# KiCad board DFTBoard.kicad_pcb (continued)
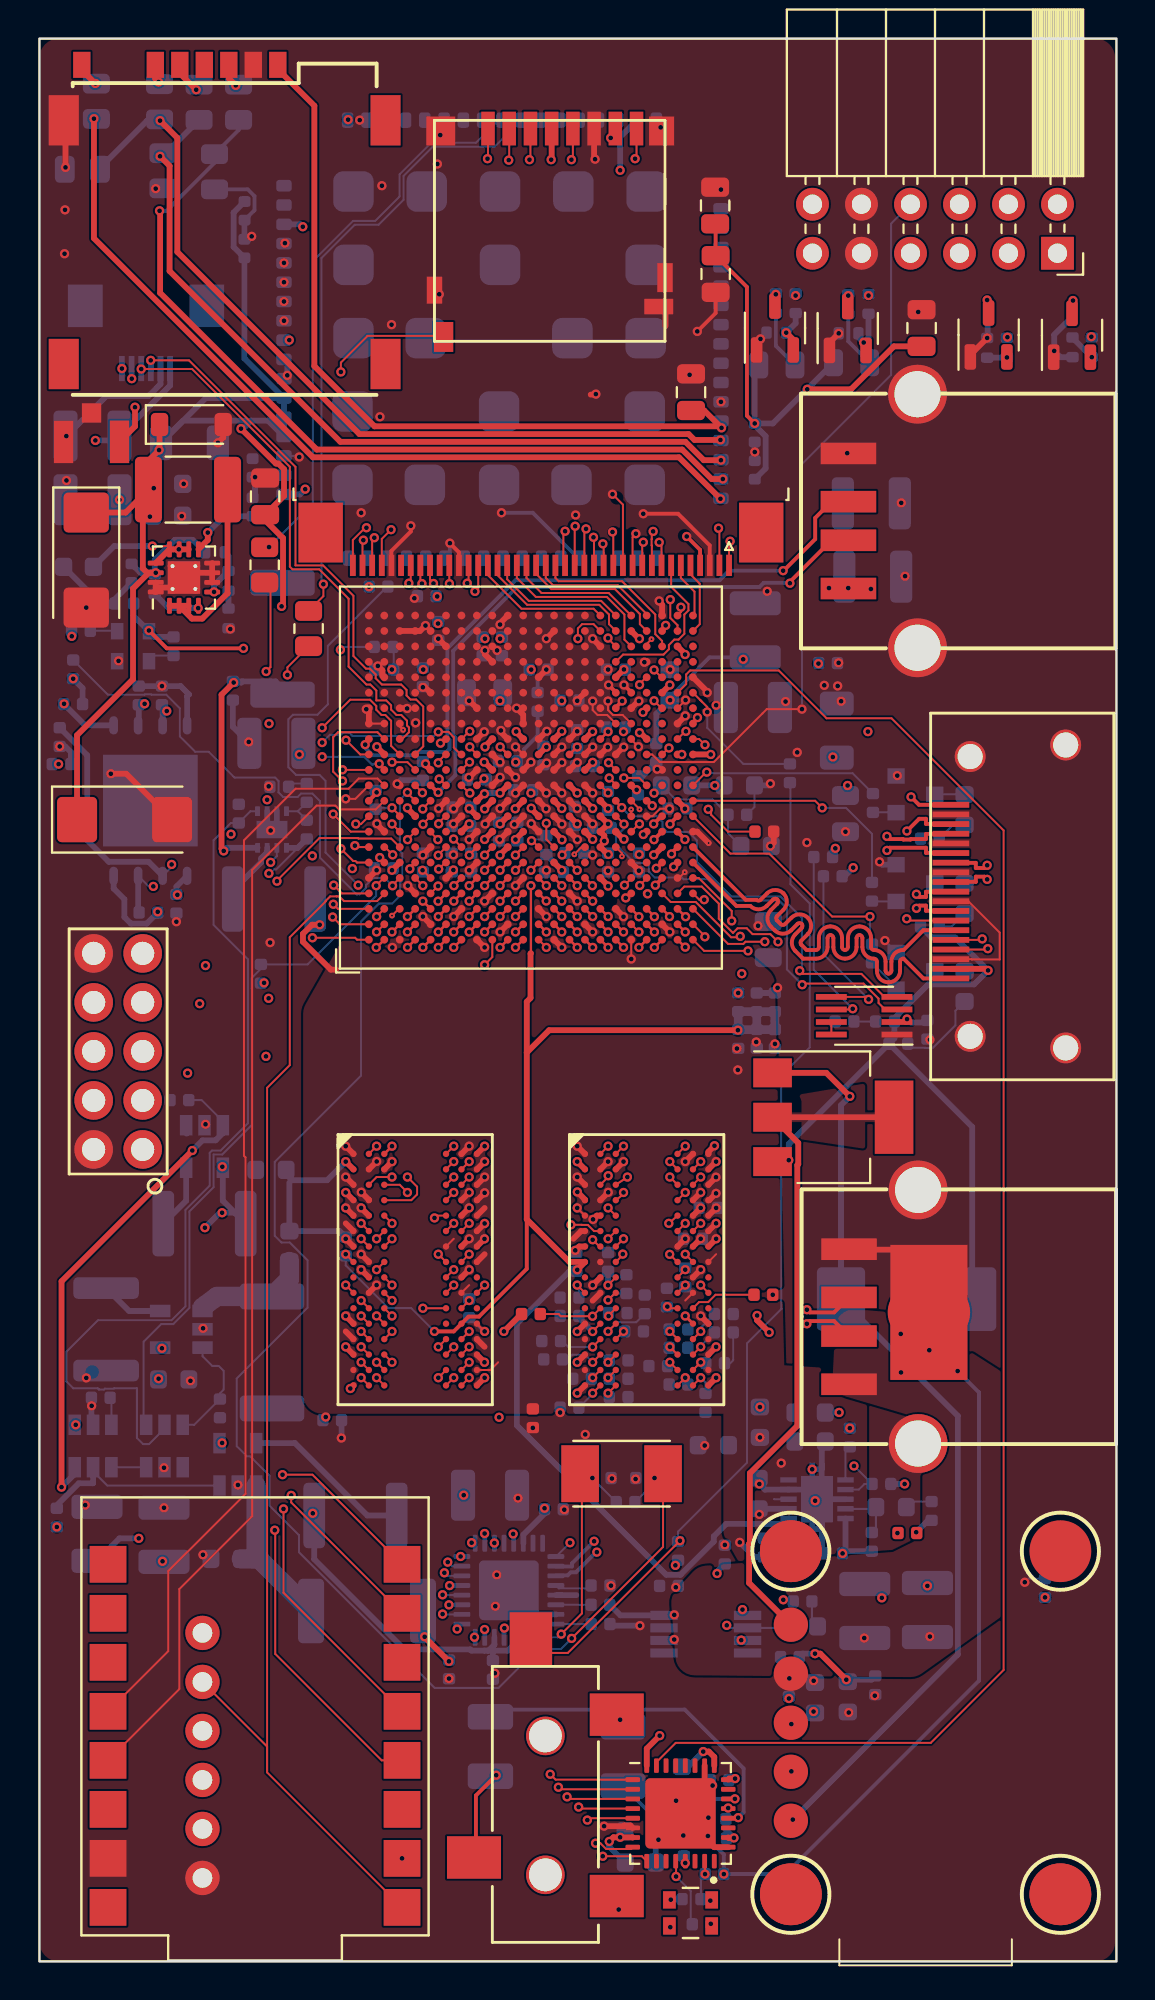
[diagram p0: board, top side]
## Routing (per net, layer and track width the routed paths; a pad name or vN(x,y) marks a point on that pad's centre or on a via; arc(x,y) is an arc through that point) (continued)
HDMI_HEAC_P: length 25
  TOP_GND w0.2: U20.AB7 36.61,55.02 37.17,55.02 arc(37.27,54.97) 37.38,55.02 37.71,55.35 arc(38.14,55.53) 38.56,55.35 arc(38.74,54.93) 38.56,54.5 38.23,54.17 arc(38.19,54.06) 38.23,53.95 38.43,53.75 arc(38.54,53.71) 38.64,53.75 38.98,54.09 arc(39.4,54.26) 39.83,54.09 arc(40,53.66) 39.83,53.24 39.49,52.9 arc(39.45,52.8) 39.49,52.69 39.77,52.42 40.25,52.42 arc(40.36,52.46) 40.4,52.57 40.4,53.04 arc(40.58,53.47) 41,53.64 arc(41.43,53.47) 41.6,53.04 41.6,52.57 arc(41.65,52.46) 41.75,52.42 arc(41.86,52.46) 41.91,52.57 41.91,53.04 arc(42.08,53.47) 42.51,53.64 arc(42.93,53.47) 43.11,53.04 43.11,52.57 arc(43.15,52.46) 43.26,52.42 arc(43.68,52.24) 43.86,51.82 43.86,51.34 arc(43.9,51.24) 44.01,51.19 arc(44.12,51.24) 44.16,51.34 44.16,51.82 arc(44.34,52.24) 44.76,52.42 44.79,52.42 45.82,53.44 J9.14
HDMI_R_N: length 22.2
  TOP_GND w0.2: v1(49.12,56.08) 48.99,56.22 48.54,56.22 48.54,55.95 47.25,55.95 ; 32.28,56.13 v1(31.93,55.78)
  SIGNAL2 w0.2: v1(31.93,55.78) 32.21,55.78 32.56,55.43 34.23,55.43 34.27,55.46 37.36,55.46 37.5,55.33 37.57,55.33 38.25,56.01 38.25,56.55 38.28,56.55 38.34,56.53 38.34,55.93 38.94,55.33 43.27,55.33 44.16,56.22 48.99,56.22 v1(49.12,56.08)
HDMI_R_P: length 22.4
  TOP_GND w0.2: 47.25,56.93 48.54,56.93 48.54,56.67 48.99,56.67 v1(49.12,56.81) ; U20.Y6 v1(31.97,56.65)
  SIGNAL2 w0.2: v1(31.97,56.65) 32.75,55.88 34.58,55.88 34.68,55.78 37.5,55.78 arc(37.61,55.82) 37.65,55.93 37.65,56.4 arc(37.83,56.82) 38.25,57 arc(38.68,56.82) 38.85,56.4 38.85,55.93 arc(38.9,55.82) 39,55.78 43.08,55.78 43.97,56.67 48.99,56.67 v1(49.12,56.81)
HPCOM_N: length 17.2
  TOP_GND w0.2: U9.20 36.19,7.42 v1(36.22,7.45)
  BOTTOM w0.2: v1(36.22,7.45) 36.5,7.73 36.5,10 33.45,13.05 23.75,13.05
HPCOM_P: length 6.9
  TOP_GND w0.2: U9.22 36.05,8.42 v1(36.05,8.43)
  BOTTOM w0.2: C49.1 31.49,7.85 33.7,7.85 34.28,8.43 v1(36.05,8.43)
HS: length 33.1
  TOP_GND w0.102: v1(20.43,71.41) 20.25,71.59 20.25,72.35 ; v3(30.19,57.27) 30.19,57.43 U20.U7
  GND0 w0.102: v3(30.19,57.27) 30.19,56.85 30.72,56.32 30.72,55.58 31.38,54.92 32.35,54.92 34.27,56.85 34.27,61.39 34.22,61.45 34.21,61.46 34.21,61.46 34.2,61.47 34.2,62.49 33.54,63.15 33.49,63.15 31.47,65.17 31.47,65.48 31.24,65.71 28.94,65.71 28.72,65.93 23.47,65.93 21.23,68.18 21.23,69.33 20.23,70.33 20.23,71.21 v1(20.43,71.41)
I2C5_HDMI_SCLK: length 19.8
  TOP_GND w0.102: v1(48.87,52.99) 48.82,52.94 J9.15 ; v1(42.16,49.37) 42.12,49.34 U21.6
  SIGNAL1 w0.102: v1(42.16,49.37) 42.16,49.59 45.5,52.94 48.81,52.94 v1(48.87,52.99)
  BOTTOM w0.102: v1(42.16,49.37) 40.14,51.39 R83.2
I2C5_HDMI_SDA: length 18.5
  TOP_GND w0.102: v1(49.16,52.49) 49.11,52.44 J9.16 ; U21.5 42.85,49.99 v1(42.98,49.86)
  SIGNAL1 w0.102: v1(49.16,52.49) 45.86,52.49 43.23,49.86 v1(42.98,49.86)
  BOTTOM w0.102: v1(42.98,49.86) 42.98,49.86 40.64,52.2 R82.2
I2C33_HDMI_SCLK: length 21.5
  TOP_GND w0.102: 29.89,59.35 v1(30.3,58.94) ; 43.83,49.34 43.5,49.67 43.5,49.89 42.72,50.68 39.6,50.68 v1(39.54,50.62)
  BOTTOM w0.102: v1(39.54,50.62) 38.74,51.41 38.74,54.57 38.33,54.99 35.73,54.99 34.63,56.08 33.39,56.08 33.3,56.17 31.9,56.17 31.58,56.49 31.58,56.81 31.47,56.93 30.84,56.93 29.89,57.88 29.89,58.3 30.3,58.72 v1(30.3,58.94)
I2C33_HDMI_SDA: length 20.7
  TOP_GND w0.102: 43.8,49.99 42.6,51.18 39.57,51.18 v1(39.41,51.34) ; 29.88,60.1 v1(30.18,59.8)
  BOTTOM w0.102: v1(30.18,59.8) 30.64,59.34 32,59.34 32.29,59.05 32.29,58.78 32.54,58.53 33.64,58.53 34.08,58.1 34.08,56.98 35.87,55.19 38.41,55.19 39.52,54.08 39.52,51.46 v1(39.41,51.34)
I2C33_SCLK: length 104.2
  TOP_GND w0.102: v1(18.3,55.75) 18.3,55.78 U20.C5 ; v1(28.83,6.12) 29.07,6.12 29.37,5.82 30.66,5.82 30.75,5.92
  SIGNAL2 w0.102: v1(28.83,6.12) 29.3,6.6 29.45,6.6 34.78,11.93 34.78,12.29 37.93,15.44 37.93,22.15 40.45,24.67 40.45,48.83 38.42,50.85 37.39,50.85 33.7,54.54 30.16,54.54 29.93,54.78 29.93,55.84 29.64,56.12 29.22,56.12 29.08,56.27 29.08,57.5 28.84,57.73 26.91,57.73 26.86,57.69 25.34,57.69 25.3,57.73 22.11,57.73 21.89,57.5 21.89,56.73 21.88,56.73 21.88,56.39 21.64,56.15 18.7,56.15 v1(18.3,55.75)
  BOTTOM w0.102: v1(18.3,55.75) 17.91,56.14 17.29,56.14 16.93,55.77 16.93,55.62 16.6,55.3 16.44,55.3 14.54,57.21 14.54,60.14 14.15,60.52 13.56,60.52 13.38,60.35 12.63,60.35 12.39,60.58 12.39,61.18 12.22,61.35 10.11,61.35 8.78,62.69 8.08,62.69 7.28,63.49 7.28,64.94 6.57,65.65 5.81,65.65 5.79,65.67 5.46,65.67 5.44,65.65 3.55,65.65 R103.2
I2C33_SDA: length 87.6
  TOP_GND w0.102: v1(15.63,57.67) 16.27,57.03 16.38,57.03 16.46,56.95 U20.A6 ; v1(29.2,5.45) 31.22,5.45 U9.9
  SIGNAL2 w0.102: 40.65,21.8 38.95,20.1 38.95,15.35 34.8,11.2 34.8,9.58 30.68,5.45 v1(29.2,5.45) ; 40.65,21.8 40.65,48.95 38.53,51.08 37.47,51.08 36.57,51.98 36.57,51.98 36.34,52.21 36.34,52.21 33.81,54.74 31.53,54.74 30.72,55.55 30.72,56.08 29.93,56.88 29.93,57.98 29.34,58.56 27.9,58.56 27.88,58.53 24.45,58.53 24.43,58.55 21.64,58.55 21.63,58.56 21.3,58.56 21.28,58.54 16.5,58.54 v1(15.63,57.67) ; 40.65,21.8 41.05,22.2 v1(44.47,22.2)
I2S_ADCSD: length 79.8
  TOP_GND w0.102: v1(28.4,7.33) 28.5,7.42 30.75,7.42 ; v1(34.11,64.46) 34.11,64.38 U20.AB15
  SIGNAL4 w0.102: v1(28.4,7.33) 28.48,7.4 30.38,7.4 34.78,11.81 34.78,12.29 35.01,12.52 35.5,12.52 43.62,20.65 43.62,44.95 43.87,45.2 43.87,46.03 47.15,49.31 47.15,60.25 42.9,64.5 34.92,64.5 34.78,64.36 34.45,64.36 34.31,64.5 34.15,64.5 v1(34.11,64.46)
I2S_BCLK: length 78.2
  TOP_GND w0.102: U20.AA13 33.29,62.55 v1(33.3,62.55) ; v1(26.9,9.03) 27.01,8.92 30.75,8.92
  SIGNAL4 w0.102: v1(26.9,9.03) 30.65,9.03 34.76,13.13 35.25,13.13 42.82,20.71 42.82,45.84 46.4,49.43 46.4,56.74 44.95,58.19 44.8,58.19 44.57,58.42 44.57,58.84 41.39,62.03 34.76,62.03 34.75,62.03 34.43,62.03 34.43,62.03 33.82,62.03 v1(33.3,62.55)
I2S_DACSD: length 78.8
  TOP_GND w0.102: v1(27.95,8) 28.03,7.92 30.75,7.92 ; U20.AA14 33.47,63.75 v1(33.51,63.75)
  SIGNAL4 w0.102: v1(33.51,63.75) 33.71,63.55 41.3,63.55 46.81,58.04 46.81,49.26 43.22,45.68 43.22,20.54 35.42,12.73 34.93,12.73 34.58,12.38 34.58,11.89 30.69,8 v1(27.95,8)
I2S_LRCLK: length 77.9
  TOP_GND w0.102: 30.75,8.42 27.46,8.42 v1(27.35,8.53) ; U20.AB14 34.2,63.35 v1(34.5,63.05)
  SIGNAL4 w0.102: v1(27.35,8.53) 30.93,8.53 34.38,11.98 34.38,12.46 34.85,12.93 35.33,12.93 43.02,20.62 43.02,45.76 46.61,49.35 46.61,57.49 41.05,63.05 34.5,63.05 v1(34.5,63.05)
I2S_MCLK: length 79
  TOP_GND w0.102: v1(32.63,62.88) 32.61,62.88 U20.Y13 ; v1(26.48,9.7) 26.76,9.42 30.75,9.42
  SIGNAL4 w0.102: v1(26.48,9.7) 30.11,13.34 35.16,13.34 42.61,20.79 42.61,45.93 45.85,49.17 45.85,56.95 44.82,57.98 44.72,57.98 44.37,58.33 44.37,58.43 42.25,60.55 34.69,60.55 32.63,62.61 v1(32.63,62.88)
INIT_B: length 0.6
  TOP_GND w0.13: v1(29.47,63.73) 29.46,63.73 U20.T14
JD_HOUT: length 7.3
  TOP_GND w0.102: 34.25,65.38 34.35,65.28 ; 34.25,65.38 34.61,65.01 v1(34.61,64.75) ; 34.25,65.38 U20.AB17
  BOTTOM w0.102: R31.1 36.49,62.06 34.61,63.93 v1(34.61,64.75)
LCD_D0: length 3.3
  TOP_GND w0.102: 33.75,71.88 34.23,71.4 34.23,69.3 U20.AB21
LCD_D1: length 2.8
  TOP_GND w0.102: 33.25,72.35 33.25,71.7 33.95,70.99 33.95,69.83
LCD_D2: length 8.3
  TOP_GND w0.102: U20.U19 30.25,67.73 32.35,67.73 32.63,68 32.63,68.23 32.91,68.5 33.13,68.5 33.43,68.8 33.43,69.8 33.64,70.02 33.64,70.34 32.75,71.24 32.75,72.35
LCD_D3: length 8.4
  TOP_GND w0.102: 31.47,68.28 v2(31.72,68.53) ; v1(32.12,73.54) 32.25,73.42 32.25,72.35
  SIGNAL1 w0.102: v1(32.12,73.54) 33.64,72.03 33.64,69.87 32.3,68.53 v2(31.72,68.53)
LCD_D4: length 43.4
  TOP_GND w0.102: 30.68,56.13 v1(30.33,55.78) ; v1(31.81,74.11) 31.74,74.04 31.74,73.72 31.73,73.71 31.73,73.38 31.75,73.37 31.75,72.35
  GND0 w0.102: v1(30.33,55.78) 30.33,56.23 29.58,56.97 29.32,56.97 29.07,57.23 29.07,57.5 28.83,57.73 26.91,57.73 26.7,57.52 26.7,57.1 26.86,56.94 27.24,56.94 27.48,56.7 27.48,55.59 27.73,55.34 28.04,55.34 28.27,55.11 28.27,54.8 28.53,54.54 28.84,54.54 29.08,54.3 29.08,53.99 29.33,53.74 31.24,53.74 31.48,53.5 31.48,53.19 31.71,52.96 32.02,52.96 32.81,52.17 34.73,52.17 36.28,53.71 36.28,67.13 36.09,67.32 36.09,67.65 36.09,67.65 36.09,69.02 31.73,73.38 31.73,74.03 v1(31.81,74.11)
LCD_D5: length 26.7
  TOP_GND w0.102: v1(35.88,53.93) 35.88,54.44 34.17,56.15 U20.AB5 ; v1(31.3,73.55) 31.25,73.5 31.25,72.35
  GND0 w0.102: v1(35.88,53.93) 35.88,67.47 33.85,69.5 32.76,69.5 32.13,70.13 32.06,70.13 31.3,70.89 v1(31.3,73.55)
LCD_D6: length 29.4
  TOP_GND w0.102: v1(30.92,73.99) 30.75,73.82 30.75,72.35 ; U20.AB4 34.2,55.02 v1(34.46,55.02)
  GND0 w0.102: v1(30.92,73.99) 30.89,73.97 30.89,70.25 32.35,68.8 32.95,68.8 35.67,66.08 35.67,65.35 35.67,65.35 35.67,64.85 35.67,64.85 35.67,54.27 35.49,54.09 35.49,53.54 34.65,52.71 34.33,52.71 34.1,52.94 34.1,54.67 v1(34.46,55.02)
LCD_D7: length 39.3
  TOP_GND w0.102: 30.25,72.35 30.25,75.5 v1(29.7,76.04) ; v1(38.28,52.84) 37.89,53.24 36.97,53.24 36.66,53.54 36.19,53.54 35.96,53.31 35.94,53.31 35.21,54.04 35.21,54.82 34.33,55.7 33.43,55.7 U20.AA4
  GND0 w0.102: v1(38.28,52.84) 38.28,69.89 32.14,76.04 v1(29.7,76.04)
LCD_D8: length 32.9
  TOP_GND w0.102: v1(36.33,53.13) 36.28,53.08 35.85,53.08 34.02,54.9 32.72,54.9 U20.Y4 ; v1(29.7,74.08) 29.75,74.04 29.75,72.35
  GND0 w0.102: v1(29.7,74.08) 30.15,74.53 31.95,74.53 35.22,71.26 35.22,70.48 36.87,68.83 36.87,67.22 36.48,66.83 36.48,53.28 v1(36.33,53.13)
LCD_D9: length 26.9
  TOP_GND w0.102: v1(29.21,73.47) 29.25,73.43 29.25,72.35 ; v1(34.49,53.1) 34.49,53.13 U20.AB2
  GND0 w0.102: v1(34.49,53.1) 34.49,53.38 35.47,54.35 35.47,64.94 35.47,64.94 35.47,65.26 35.47,65.27 35.47,65.66 34.97,66.15 34.05,66.15 32.05,68.15 30.47,68.15 29.21,69.42 v1(29.21,73.47)
LCD_D10: length 7.6
  TOP_GND w0.102: 28.75,72.35 28.75,73.78 v1(28.72,73.8) ; v1(29.47,68.58) 29.47,68.55 U20.U20
  GND0 w0.102: v1(29.47,68.58) 28.7,69.35 28.7,73.79 v1(28.72,73.8)
LCD_D11: length 9.6
  TOP_GND w0.102: v1(28.33,74.24) 28.25,74.15 28.25,72.35 ; U20.AA21 33.08,69.25 32.7,69.63 v1(32.7,70.58)
  SIGNAL1 w0.102: v1(28.33,74.24) 28.99,74.24 32.66,70.58 v1(32.7,70.58)
LCD_D12: length 12.4
  TOP_GND w0.102: 27.75,72.35 27.75,74.36 v1(27.77,74.38) ; U20.AA22 33.25,69.92 v1(33.25,70.18)
  SIGNAL1 w0.102: v1(33.25,70.18) 32.79,69.73 28.52,69.73 27.77,70.48 v1(27.77,74.38)
LCD_D13: length 11.5
  TOP_GND w0.102: v1(27.25,74.12) 27.16,74.03 27.16,72.44 ; v1(32.46,69.24) 32.46,69.13 U20.Y21
  SIGNAL1 w0.102: v1(27.25,74.12) 27.27,74.1 27.27,70.38 28.34,69.32 32.38,69.32 v1(32.46,69.24)
LCD_D14: length 8.4
  TOP_GND w0.102: 26.75,72.35 26.75,71.7 26.91,71.53 30.2,71.53 31.92,69.8 31.92,68.79 32.28,68.43 U20.Y20
LCD_D15: length 6.7
  TOP_GND w0.102: 26.25,72.35 26.25,71.7 26.62,71.32 29.98,71.32 31.47,69.83
LCD_D16: length 7.3
  TOP_GND w0.102: 25.75,71.91 26.53,71.12 29.83,71.12 31.12,69.83 31.12,69.3 U20.W21
LCD_D17: length 6.9
  TOP_GND w0.102: U20.V22 29.51,70.92 26.45,70.92 26.03,70.92 25.25,71.7 25.25,72.35
LCD_D18: length 8.8
  TOP_GND w0.102: 24.75,72.35 24.75,71.7 25.73,70.71 29.41,70.71 30.32,69.8 30.32,68.5 U20.V20
LCD_D19: length 7.1
  TOP_GND w0.102: U20.U22 29.11,70.51 25.36,70.51 24.25,71.63 24.25,72.35
LCD_D20: length 8.1
  TOP_GND w0.102: 23.75,72.35 23.75,71.84 25.28,70.31 29.02,70.31 29.52,69.8 29.52,69.3 U20.U21
LCD_D21: length 7.2
  TOP_GND w0.102: U20.T22 28.72,70.1 24.99,70.1 23.25,71.84 23.25,72.35
LCD_D22: length 9.7
  TOP_GND w0.102: U20.T21 28.72,69.3 28.13,69.3 27.91,69.08 v1(27.91,68.55) ; 22.75,72.35 22.75,71.17 v1(22.58,71)
  GND0 w0.102: v1(22.58,71) 25.46,71 v1(27.91,68.55)
LCD_D23: length 40.5
  TOP_GND w0.102: v1(22.18,71.43) 22.25,71.5 22.25,72.35 ; v1(36.73,52.37) 34.45,52.37 U20.AB1
  GND0 w0.102: v1(22.18,71.43) 26.19,75.44 31.44,75.44 33.05,73.83 33.05,73.72 37.08,69.69 37.08,54.2 36.73,53.85 v1(36.73,52.37)
LEDA: length 19.1
  TOP_GND w0.102: 35.25,72.35 35.25,74.23 v1(35.2,74.28) ; v1(29.5,62.13) U20.U12
  SIGNAL2 w0.102: v1(35.2,74.28) 35.2,65.53 35.24,65.49 35.24,65.49 35.47,65.26 35.47,64.94 35.24,64.71 35.24,64.71 33.89,63.36 32.43,63.36 31.2,62.13 v1(29.5,62.13)
LEDK: length 19.7
  TOP_GND w0.102: v1(35.8,73.6) 35.75,73.55 35.75,72.35 ; 29.88,60.99 v1(29.53,61.33)
  SIGNAL2 w0.102: v1(35.8,73.6) 35.8,62.95 34.88,62.03 34.13,62.03 33.49,61.39 31.86,61.39 31.53,61.73 29.93,61.73 v1(29.53,61.33) 29.63,61.33
Pclk: length 37
  TOP_GND w0.102: v1(21.25,71.4) 21.25,71.41 21.25,72.35 ; U20.R7 28.1,57.75 v2(27.73,57.37)
  GND0 w0.102: v1(21.25,71.4) 22.7,69.95 22.7,67.78 23.95,66.53 29.08,66.53 29.11,66.56 31.27,66.56 32.28,65.55 32.28,65.18 33.31,64.14 33.87,64.14 33.95,64.07 34.03,64.07 35.19,62.91 35.19,61.56 34.97,61.33 34.85,61.33 34.62,61.1 34.62,60.78 34.85,60.55 34.97,60.55 35.08,60.44 35.08,57.35 32.28,54.55 29.97,54.55 29.07,55.46 29.07,56.36 28.05,57.37 v2(27.73,57.37)
PMOD1: length 61.4
  TOP_GND w0.2: v1(30.2,65.32) 29.88,64.99 U20.U16
  SIGNAL4 w0.102: PMOD1.1 53.77,89.53 53.77,91.48 51.83,93.43 33.33,93.43 25.1,85.2 25.1,66.55 26.8,64.85 29.73,64.85 v1(30.2,65.32)
PMOD2: length 54.7
  TOP_GND w0.102: v1(28.68,65.32) 28.68,64.85 28.93,64.6 29.43,64.6 U20.U15
  SIGNAL4 w0.102: v1(28.68,65.32) 26.69,67.3 26.69,70.96 26.32,71.33 26.32,84.62 34.4,92.7 50.38,92.7 51.43,91.65 51.43,89.72 PMOD1.3
PMOD3: length 37.2
  TOP_GND w0.2: U20.V17 30.68,65.78 v1(30.3,66.15)
  SIGNAL4 w0.102: PMOD1.5 46.04,86.88 34.6,86.88 30.53,82.8 30.53,73.33 29.9,72.7 29.9,66.55 v1(30.3,66.15)
PMOD4: length 35.8
  TOP_GND w0.2: U20.U17 29.88,65.78 v1(29.5,66.15)
  SIGNAL4 w0.102: PMOD1.7 43.83,87.2 33.44,87.2 30.1,83.86 30.1,73.78 29.08,72.76 29.08,66.58 v1(29.5,66.15)
PMOD5: length 37.7
  TOP_GND w0.102: v1(33.49,65.37) 33.08,64.95 U20.AA16
  SIGNAL4 w0.102: v1(33.49,65.37) 33.86,65.74 33.86,70.93 38.55,75.63 38.55,80.88 40.57,82.9 46.47,82.9 51.77,88.19 51.77,90.06 PMOD1.2
PMOD6: length 48.2
  TOP_GND w0.102: v1(29.47,65.32) 29.47,64.85 29.73,64.6 30.23,64.6 U20.V15
  SIGNAL4 w0.102: PMOD1.4 49.23,92.07 36.19,92.07 26.8,82.68 26.8,73.94 27.45,73.29 27.45,67.34 v1(29.47,65.32)
PMOD7: length 42.7
  TOP_GND w0.102: U20.V14 30.68,63.33 v1(31.05,62.95)
  SIGNAL4 w0.102: v1(31.05,62.95) 30.68,63.32 30.68,65.98 30.7,66 30.7,71.55 34.68,75.53 34.68,83.65 36.9,85.88 46.97,85.88 48.85,87.75 48.85,89.91 PMOD1.6
PMOD8: length 37.8
  TOP_GND w0.102: U20.W13 31.76,62.55 32.15,62.16 34.96,62.16 37.7,64.9 v1(39.53,64.9)
  BOTTOM w0.102: PMOD1.8 44.15,90.06 44.15,82.22 39.53,77.6 v1(39.53,64.9)
PROGRAM_B: length 0.6
  TOP_GND w0.102: v1(29.47,60.56) 29.47,60.56 U20.T11
PWRKEY: length 120.1
  TOP_GND w0.102: U14.8 17.74,10.42 12.22,15.94 12.22,22.32 v1(12.2,22.35) ; 32.24,66.55 v1(31.86,66.93)
  SIGNAL1 w0.102: v1(50.18,84.18) 49.38,83.38 49.38,79.55 47.5,77.68 42.53,77.68 31.86,67.01 v1(31.86,66.93) 31.2,66.93 30.58,67.55 10.75,67.55 0.43,57.23 0.43,32.8 10.88,22.35 v1(12.2,22.35)
RST: length 30.2
  TOP_GND w0.102: 17.75,72.35 17.75,73.72 v1(18.23,74.2) ; v1(31.3,58.4) 31.33,58.4 U20.W8
  GND0 w0.102: v1(31.3,58.4) 31.46,58.56 32,58.56 32.23,58.79 32.23,59.04 32.52,59.33 32.82,59.33 33.05,59.57 33.05,60.2 30.95,62.3 30.36,62.3 29.87,62.78 29.87,63.09 29.63,63.33 22.02,63.33 19.23,66.13 19.23,66.85 18.23,67.85 v1(18.23,74.2)
SCL: length 28.2
  TOP_GND w0.102: 16.75,72.35 16.75,73.61 v1(16.79,73.66) ; v1(31.76,59.89) 31.73,59.89 U20.W10
  GND0 w0.102: v1(31.76,59.89) 31.47,60.19 31.47,61.21 30.94,61.73 26.47,61.73 26.45,61.72 26.13,61.72 26.08,61.76 22.13,61.76 21.38,62.51 19.71,62.51 18.52,63.7 18.52,63.87 16.38,66.02 16.38,73.05 16.79,73.47 v1(16.79,73.66)
SD_CD: length 28.8
  TOP_GND w0.102: v1(15.89,63.29) 16.63,62.55 U20.A13 ; 20.89,84.24 17.01,84.24 15.62,82.86 v1(15.62,82.38)
  SIGNAL4 w0.102: v1(15.89,63.29) 15.78,63.41 15.78,64.6 15.6,64.78 v1(15.6,67.98) 15.6,82.35 v1(15.62,82.38)
  BOTTOM w0.102: R99.2 15.75,68.13 v1(15.6,67.98)
SD_CLK: length 28.1
  TOP_GND w0.102: v1(27.58,93.38) 27.65,93.45 J8.5
  SIGNAL1 w0.102: v1(17.08,71.24) 17.09,71.24 27.58,81.73 v1(27.58,93.38)
SD_CMD: length 45.1
  TOP_GND w0.102: U20.E9 19.88,58.96 v1(19.88,58.93) ; J8.3 25.45,93.43 v1(25.4,93.38)
  SIGNAL4 w0.102: v1(19.88,58.93) 20.3,59.35 20.3,59.92 20.52,60.14 20.92,60.14 21.28,60.5 21.28,62.09 20.85,62.51 19.32,62.51 19.25,62.44 19,62.44 18.82,62.62 18.82,62.65 17.85,63.63 16.88,63.63 16.23,64.28 16.23,84.2 v1(25.4,93.38)
SD_D0: length 56.5
  TOP_GND w0.102: U20.A7 16.43,57.75 v1(16.35,57.83)
  SIGNAL4 w0.102: v1(29.61,94.5) 22.85,94.5 9.64,81.29 9.64,78.54 9.5,78.39 9.5,58.28 9.75,58.03 10.09,58.03 10.27,58.2 15.98,58.2 v1(16.35,57.83)
SD_D1: length 52.5
  TOP_GND w0.102: J8.8 30.95,93.5 v1(30.88,93.43) ; U20.E10 19.87,59.74 v1(19.87,59.73)
  SIGNAL4 w0.102: v1(19.87,59.73) 18.84,58.7 18.75,58.7 18.6,58.55 17.35,58.55 16.54,59.37 16.07,59.37 15.25,60.18 15.25,67.72 15.13,67.84 15.13,68.19 15.31,68.37 15.31,82.13 15.23,82.21 15.23,84.83 24.51,94.11 29.51,94.11 30.19,93.43 v1(30.88,93.43)
SD_D2: length 41.4
  TOP_GND w0.102: v1(23.23,93.43) 23.25,93.45 J8.1 ; v1(15.22,59.46) 16.13,58.55 U20.A8
  SIGNAL4 w0.102: v1(23.23,93.43) 15.03,85.23 15.03,82.13 15.05,82.11 15.05,71.6 15.11,71.54 15.11,71.21 15.05,71.15 15.05,68.39 14.93,68.27 14.93,67.75 15.05,67.64 15.05,59.63 v1(15.22,59.46)
SD_D3: length 44.9
  TOP_GND w0.102: v1(24.33,93.35) 24.35,93.38 J8.2 ; U20.F11 20.75,61.28 v1(20.72,61.28)
  SIGNAL4 w0.102: v1(20.72,61.28) 20.27,60.83 20.27,60.36 20.03,60.12 19.71,60.12 19.48,59.89 19.48,59.62 19.45,59.6 19.45,59.6 19.22,59.37 17.32,59.37 16.1,60.59 16.1,62.94 16.28,63.13 16.28,63.45 16.02,63.72 16.02,84.85 24.33,93.16 v1(24.33,93.35)
SDA: length 30.7
  TOP_GND w0.102: v1(30.29,61.33) 31.09,61.33 U20.W11 ; v1(16.95,74.3) 16.88,74.3 16.25,73.67 16.25,72.35
  GND0 w0.102: v1(16.95,74.3) 16.62,74.3 16.17,73.85 16.17,65.11 19.61,61.68 20.88,61.68 21.6,60.96 22.83,60.96 22.88,60.91 23.23,60.91 23.46,60.68 23.46,60.35 23.66,60.16 29.96,60.16 30.3,60.5 30.3,61.33 v1(30.29,61.33)
STATLED_0: length 10.1
  TOP_GND w0.102: U20.AB11 34.56,61.63 v1(34.59,61.63)
  BOTTOM w0.102: v1(34.59,61.63) 34.65,61.58 42.15,61.58 R77.2
STATLED_1: length 12.5
  TOP_GND w0.102: U20.AB10 40.21,60.15 v1(40.58,59.78)
  BOTTOM w0.102: R79.2 43.16,58.43 41.81,59.78 v1(40.58,59.78)
STATLED_2: length 12.7
  TOP_GND w0.102: U20.AB9 35.81,57.41 37.83,57.41 41.09,54.15 v1(43.05,54.15)
  BOTTOM w0.102: 43.05,52.83 v1(43.05,54.15)
T_INT: length 33.1
  TOP_GND w0.102: U20.D11 19.85,60.58 v1(19.85,60.57)
  GND0 w0.102: v1(4.78,82.03) 10.7,82.03 14.26,78.46 14.26,65.43 15.05,64.65 15.05,63.58 18.43,60.19 19.47,60.19 v1(19.85,60.57)
T_RST: length 32.2